# Altium PCB sla2216.PcbDoc (part 3 of 3)
Units mm, origin at the board's own origin, x right, y up, seen from the top; angles counter-clockwise.
Board outline 100 x 43.96 mm, 4 copper layers (Top Copper, Ground, Power, Bottom Copper), stack 1.57 mm thick; 249 components, 170 nets, 887 pads, 884 vias.
Unrouted connection lines stored in the file: 6.
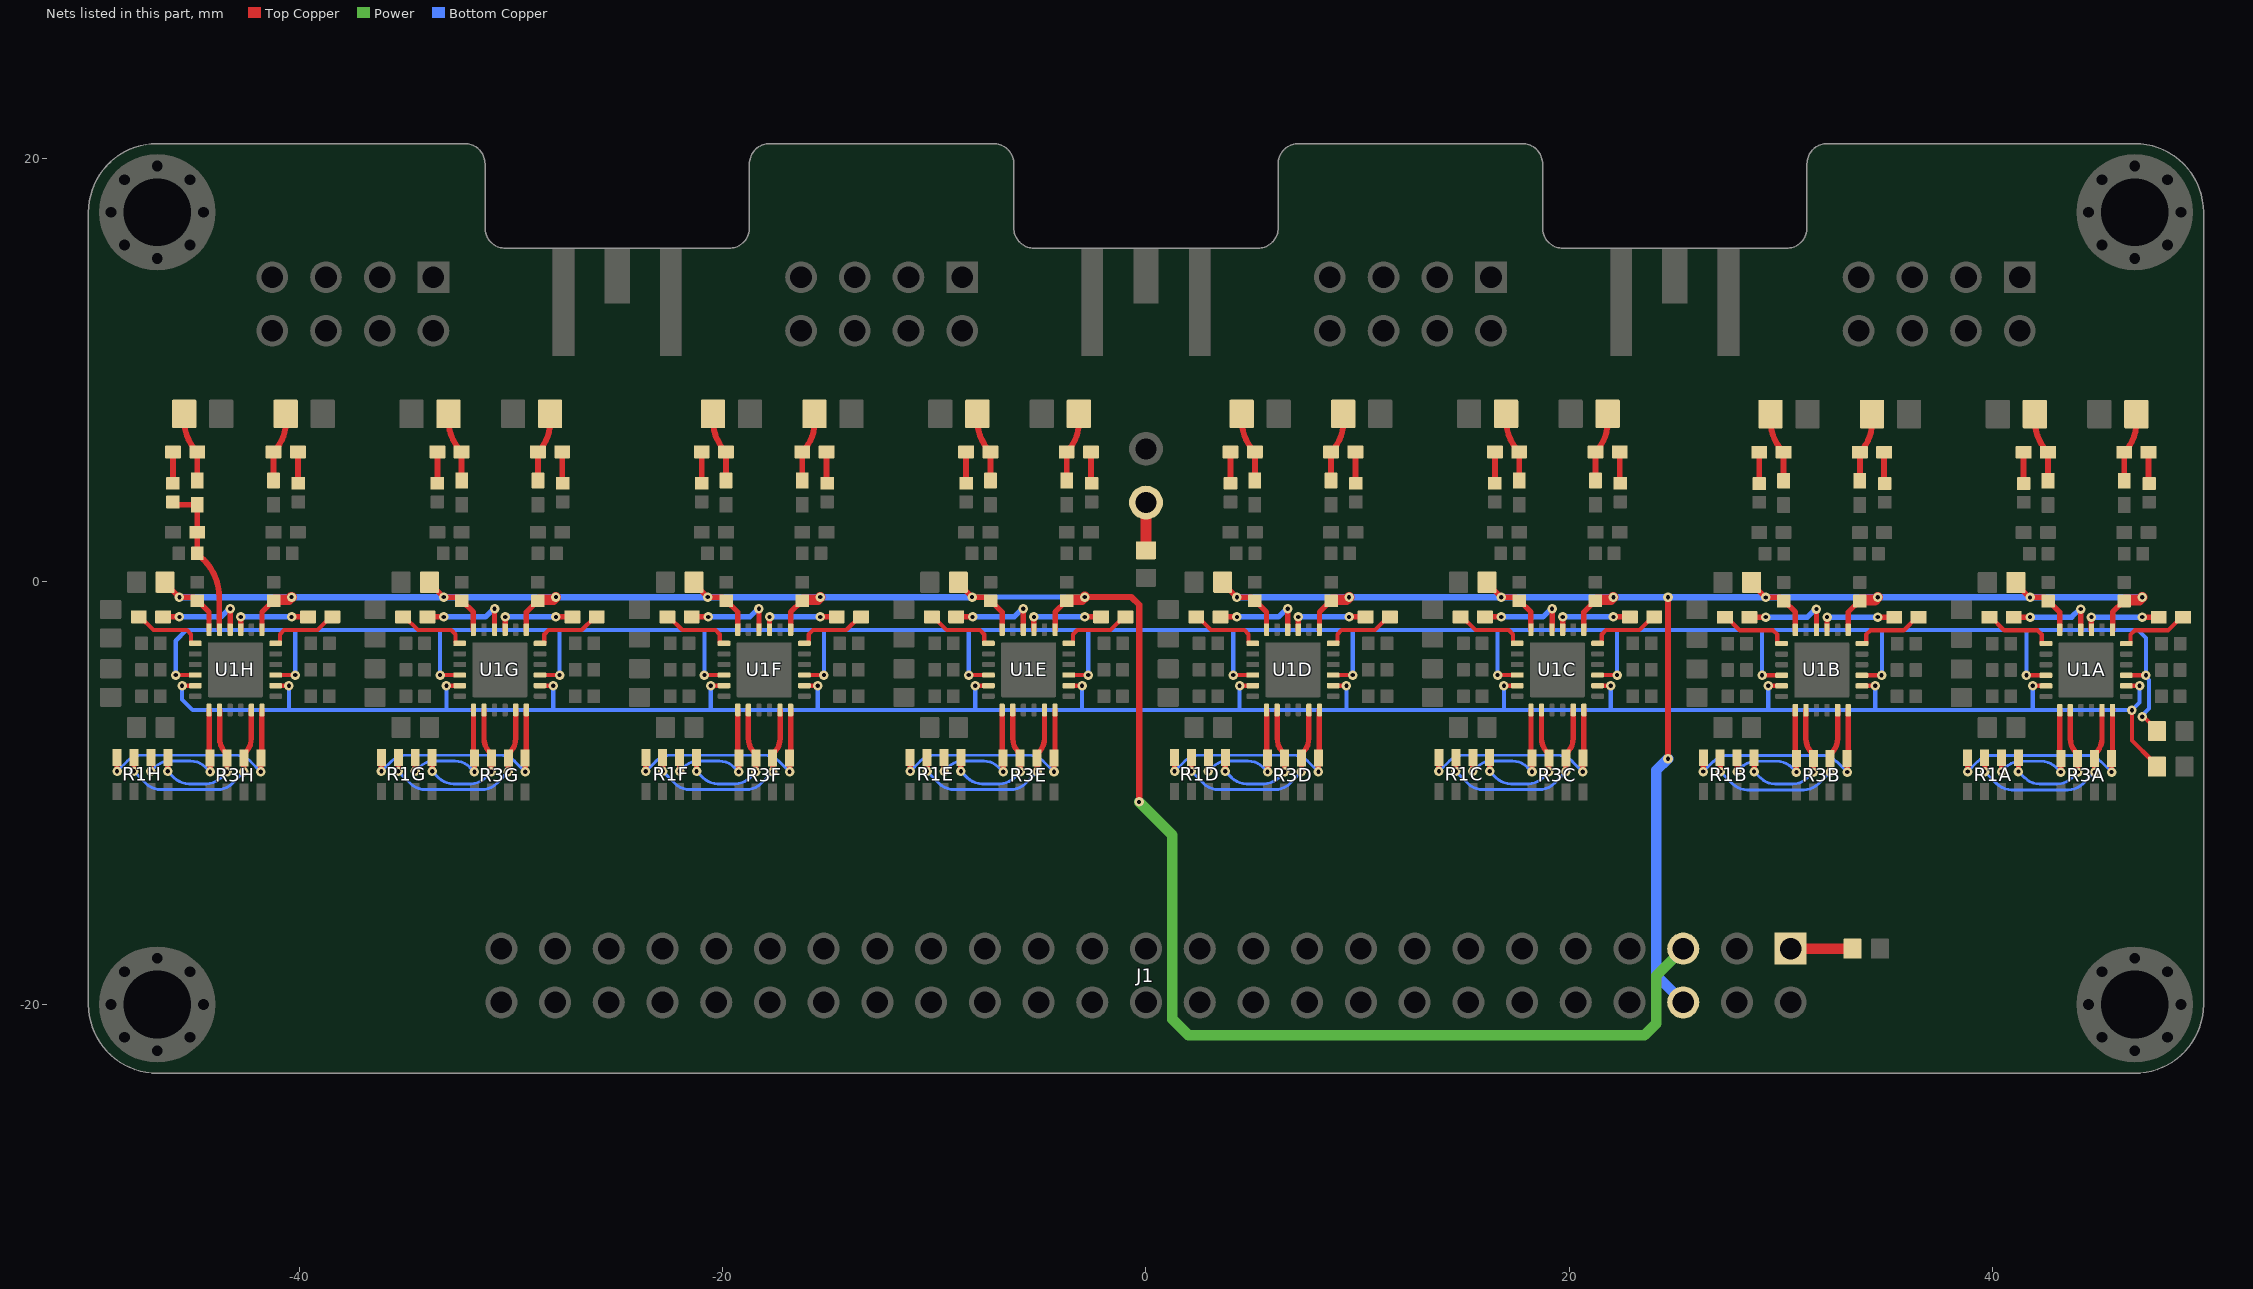
[diagram p5: the nets of this part, all layers, seen from the top]

## Via types
v1: diameter 0.45, hole 0.2, Top Copper to Bottom Copper, tented both sides, 756 vias
v2: diameter 0.5, hole 0.3, Top Copper to Bottom Copper, 72 vias
v3: diameter 0.6, hole 0.3, Top Copper to Bottom Copper, tented both sides, 32 vias
v4: diameter 0.8, hole 0.4, Top Copper to Bottom Copper, tented both sides, 24 vias

## Nets (pads, with @x,y where several pads share a name; then routed paths per layer and width w, separated by ;. In a path a pad name is that pad's centre, name@x,y a point inside that pad or via, vN(x,y) a via of type N, cw(c..) or ccw(c..) an arc to the next point about the centre after c; other vN are vias at no path point) (continued)
INBH_P: C9H.2 C14H.1 R10H.2 R11H.1 U1H.11 | length 7.5
  Top Copper w0.277: C9H.2@-46.005,3.76 -46.005,3.625 R10H.2@-44.855,3.625 R11H.1@-44.855,2.325 -44.855,1.325 C14H.1@-44.85,1.325 -44.558,1.033 cw(c-46.354,-0.763) -44.379,0.834 cw(c-46.354,-0.763) -43.814,-0.763 U1H.11@-43.814,-2.261
LA_DET: J1.1 R13.2 | length 2.9
  Top Copper w0.5: J1.1@30.48,-17.36 R13.2@33.4,-17.36
LEA_N: R15.2 U1A.3 U1A.16 U1B.3 U1B.16 U1C.3 U1C.16 U1D.3 U1D.16 U1E.3 U1E.16 U1F.3 U1F.16 U1G.3 U1G.16 U1H.3 U1H.16 | length 145.1
  Top Copper w0.2: v1(-45.875,-4.425) U1H.16@-44.95,-4.425 ; U1H.3@-41.15,-4.425 v1(-40.225,-4.425) ; v1(-33.375,-4.425) U1G.16@-32.45,-4.425 ; U1G.3@-28.65,-4.425 v1(-27.725,-4.425) ; v1(-20.875,-4.425) U1F.16@-19.95,-4.425 ; U1F.3@-16.15,-4.425 v1(-15.225,-4.425) ; v1(-8.375,-4.425) U1E.16@-7.45,-4.425 ; U1E.3@-3.65,-4.425 v1(-2.725,-4.425) ; v1(4.125,-4.425) U1D.16@5.05,-4.425 ; U1D.3@8.85,-4.425 v1(9.775,-4.425) ; v1(16.625,-4.425) U1C.16@17.55,-4.425 ; U1C.3@21.35,-4.425 v1(22.275,-4.425) ; v1(29.125,-4.435) U1B.16@30.05,-4.435 ; U1B.3@33.85,-4.435 v1(34.775,-4.435) ; v1(41.625,-4.435) U1A.16@42.55,-4.435 ; U1A.3@46.35,-4.435 v1(47.275,-4.435) ; v1(47.1,-6.4) 47.148,-6.448 47.228,-6.448 47.805,-7.025 R15.2@47.805,-7.075
  Bottom Copper w0.2: v1@-45.9,-4.4 ccw(c-45.875,-4.4) v1(-45.875,-4.425) -45.875,-2.8 -45.375,-2.3 -40.225,-2.3 ; v1(-40.225,-4.425) -40.225,-2.3 ; v1(-33.375,-4.425) -33.375,-2.3 ; v1@-27.7,-4.4 cw(c-27.725,-4.4) v1(-27.725,-4.425) -27.725,-2.3 ; v1@-20.9,-4.4 ccw(c-20.875,-4.4) v1(-20.875,-4.425) -20.875,-2.3 ; v1@-15.2,-4.4 cw(c-15.225,-4.4) v1(-15.225,-4.425) -15.225,-2.3 ; v1@-8.4,-4.4 ccw(c-8.375,-4.4) v1(-8.375,-4.425) -8.375,-2.3 ; v1@-2.7,-4.4 cw(c-2.725,-4.4) v1(-2.725,-4.425) -2.725,-2.3 ; v1@4.1,-4.4 ccw(c4.125,-4.4) v1(4.125,-4.425) 4.125,-2.3 ; v1@9.8,-4.4 cw(c9.775,-4.4) v1(9.775,-4.425) 9.775,-2.3 ; v1@16.6,-4.4 ccw(c16.625,-4.4) v1(16.625,-4.425) 16.625,-2.3 ; v1@22.3,-4.4 cw(c22.275,-4.4) v1(22.275,-4.425) 22.275,-2.3 ; v1@29.1,-4.41 ccw(c29.125,-4.41) v1(29.125,-4.435) ; v1@29.125,-4.425 29.125,-4.41 29.125,-2.3 ; v1(34.775,-4.435) 34.8,-4.41 34.8,-2.3 ; v1(41.625,-4.435) 41.625,-2.3 ; v1(47.1,-6.4) 47.1,-6.332 47.427,-6.005 47.427,-4.654 47.275,-4.502 v1(47.275,-4.435) 47.275,-2.675 46.9,-2.3 41.625,-2.3 ; -40.225,-2.3 -33.375,-2.3 ; -33.375,-2.3 -27.725,-2.3 ; -27.725,-2.3 -20.875,-2.3 ; -20.875,-2.3 -15.225,-2.3 ; -15.225,-2.3 -8.375,-2.3 ; -8.375,-2.3 -2.725,-2.3 ; -2.725,-2.3 4.125,-2.3 ; 4.125,-2.3 9.775,-2.3 ; 9.775,-2.3 16.625,-2.3 ; 16.625,-2.3 22.275,-2.3 ; 22.275,-2.3 29.125,-2.3 ; 29.125,-2.3 34.8,-2.3 ; 34.8,-2.3 41.625,-2.3
LEA_P: R16.2 U1A.2 U1A.17 U1B.2 U1B.17 U1C.2 U1C.17 U1D.2 U1D.17 U1E.2 U1E.17 U1F.2 U1F.17 U1G.2 U1G.17 U1H.2 U1H.17 | length 123.7
  Top Copper w0.2: v1(-45.575,-4.925) U1H.17@-44.95,-4.925 ; U1H.2@-41.15,-4.925 v1(-40.525,-4.925) ; v1(-33.075,-4.925) U1G.17@-32.45,-4.925 ; U1G.2@-28.65,-4.925 v1(-28.025,-4.925) ; v1(-20.575,-4.925) U1F.17@-19.95,-4.925 ; U1F.2@-16.15,-4.925 v1(-15.525,-4.925) ; v1(-8.075,-4.925) U1E.17@-7.45,-4.925 ; U1E.2@-3.65,-4.925 v1(-3.025,-4.925) ; v1(4.425,-4.925) U1D.17@5.05,-4.925 ; U1D.2@8.85,-4.925 v1(9.475,-4.925) ; v1(16.925,-4.925) U1C.17@17.55,-4.925 ; U1C.2@21.35,-4.925 v1(21.975,-4.925) ; v1(29.425,-4.935) U1B.17@30.05,-4.935 ; U1B.2@33.85,-4.935 v1(34.475,-4.935) ; v1(41.925,-4.935) U1A.17@42.55,-4.935 ; U1A.2@46.35,-4.935 v1(46.975,-4.935) ; v1(46.615,-6.085) 46.615,-7.515 R16.2@47.575,-8.475
  Bottom Copper w0.2: v1(-45.575,-4.925) -45.575,-5.575 -45.075,-6.075 -40.525,-6.075 ; v1(-40.525,-4.925) -40.525,-6.075 ; v1(-33.075,-4.925) -33.075,-6.075 ; v1@-28,-4.9 cw(c-28.025,-4.9) v1(-28.025,-4.925) -28.025,-6.075 ; v1@-20.6,-4.9 ccw(c-20.575,-4.9) v1(-20.575,-4.925) -20.575,-6.075 ; v1@-15.5,-4.9 cw(c-15.525,-4.9) v1(-15.525,-4.925) -15.525,-6.075 ; v1@-8.1,-4.9 ccw(c-8.075,-4.9) v1(-8.075,-4.925) -8.075,-6.075 ; v1@-3,-4.9 cw(c-3.025,-4.9) v1(-3.025,-4.925) -3.025,-6.075 ; v1@4.4,-4.9 ccw(c4.425,-4.9) v1(4.425,-4.925) 4.425,-6.075 ; v1@9.5,-4.9 cw(c9.475,-4.9) v1(9.475,-4.925) 9.475,-6.075 ; v1@16.9,-4.9 ccw(c16.925,-4.9) v1(16.925,-4.925) 16.925,-6.075 ; v1@22,-4.9 cw(c21.975,-4.9) v1(21.975,-4.925) 21.975,-6.075 ; v1@29.4,-4.91 ccw(c29.425,-4.91) v1(29.425,-4.935) ; v1@29.425,-4.925 29.425,-6.075 ; v1@34.5,-4.91 cw(c34.475,-4.91) v1(34.475,-4.935) 34.475,-6.075 ; v1(41.925,-4.935) 41.925,-6.075 ; v1(46.975,-4.935) 46.975,-5.725 v1(46.615,-6.085) 46.606,-6.075 41.925,-6.075 ; -40.525,-6.075 -33.075,-6.075 ; -33.075,-6.075 -28.025,-6.075 ; -28.025,-6.075 -20.575,-6.075 ; -20.575,-6.075 -15.525,-6.075 ; -15.525,-6.075 -8.075,-6.075 ; -8.075,-6.075 -3.025,-6.075 ; -3.025,-6.075 4.425,-6.075 ; 4.425,-6.075 9.475,-6.075 ; 9.475,-6.075 16.925,-6.075 ; 16.925,-6.075 21.975,-6.075 ; 21.975,-6.075 29.425,-6.075 ; 29.425,-6.075 34.475,-6.075 ; 34.475,-6.075 41.925,-6.075
NetC2A_1: C2A.1 R2A.2 | length 1.5
  Top Copper w0.277: R2A.2@47.4,6.115 47.4,4.63 C2A.1@47.425,4.63
NetC2B_1: C2B.1 R2B.2 | length 1.5
  Top Copper w0.277: R2B.2@34.9,6.115 34.9,4.63 C2B.1@34.925,4.63
NetC2C_1: C2C.1 R2C.2 | length 1.5
  Top Copper w0.277: R2C.2@22.4,6.125 22.4,4.64 C2C.1@22.425,4.64
NetC2D_1: C2D.1 R2D.2 | length 1.5
  Top Copper w0.277: R2D.2@9.9,6.125 9.9,4.64 C2D.1@9.925,4.64
NetC2E_1: C2E.1 R2E.2 | length 1.5
  Top Copper w0.277: R2E.2@-2.6,6.125 -2.6,4.64 C2E.1@-2.575,4.64
NetC2F_1: C2F.1 R2F.2 | length 1.5
  Top Copper w0.277: R2F.2@-15.1,6.125 -15.1,4.64 C2F.1@-15.075,4.64
NetC2G_1: C2G.1 R2G.2 | length 1.5
  Top Copper w0.277: R2G.2@-27.6,6.125 -27.6,4.64 C2G.1@-27.575,4.64
NetC2H_1: C2H.1 R2H.2 | length 1.5
  Top Copper w0.277: R2H.2@-40.1,6.125 -40.1,4.64 C2H.1@-40.075,4.64
NetC9A_1: C9A.1 R8A.2 | length 1.5
  Top Copper w0.277: C9A.1@41.495,4.63 R8A.2@41.495,6.115
NetC9B_1: C9B.1 R8B.2 | length 1.5
  Top Copper w0.277: C9B.1@28.995,4.63 R8B.2@28.995,6.115
NetC9C_1: C9C.1 R8C.2 | length 1.5
  Top Copper w0.277: C9C.1@16.495,4.64 R8C.2@16.495,6.125
NetC9D_1: C9D.1 R8D.2 | length 1.5
  Top Copper w0.277: C9D.1@3.995,4.64 R8D.2@3.995,6.125
NetC9E_1: C9E.1 R8E.2 | length 1.5
  Top Copper w0.277: C9E.1@-8.505,4.64 R8E.2@-8.505,6.125
NetC9F_1: C9F.1 R8F.2 | length 1.5
  Top Copper w0.277: C9F.1@-21.005,4.64 R8F.2@-21.005,6.125
NetC9G_1: C9G.1 R8G.2 | length 1.5
  Top Copper w0.277: C9G.1@-33.505,4.64 R8G.2@-33.505,6.125
NetC9H_1: C9H.1 R8H.2 | length 1.5
  Top Copper w0.277: C9H.1@-46.005,4.64 R8H.2@-46.005,6.125
NetLED1_2: LED1.2 R14.1 | length 2.1
  Top Copper w0.254: R14.1@-0.003,1.475 R14.1@0,1.478 ; LED1.2@0,3.525 LED1.2@0.05,3.575
  Top Copper w0.5: R14.1@0,1.478 LED1.2@0,3.525
NetR2A_1: R2A.1 R4A.2 R5A.1 | length 3.3
  Top Copper w0.277: R5A.1@46.25,4.765 R2A.1@46.25,6.115 ccw(c44.862,7.504) 46.825,7.504 R4A.2@46.825,7.915
NetR2B_1: R2B.1 R4B.2 R5B.1 | length 3.3
  Top Copper w0.277: R5B.1@33.75,4.765 R2B.1@33.75,6.115 ccw(c32.362,7.504) 34.325,7.504 R4B.2@34.325,7.915
NetR2C_1: R2C.1 R4C.2 R5C.1 | length 3.3
  Top Copper w0.277: R5C.1@21.25,4.775 R2C.1@21.25,6.125 ccw(c19.862,7.513) 21.825,7.513 R4C.2@21.825,7.925
NetR2D_1: R2D.1 R4D.2 R5D.1 | length 3.3
  Top Copper w0.277: R5D.1@8.75,4.775 R2D.1@8.75,6.125 ccw(c7.362,7.513) 9.325,7.513 R4D.2@9.325,7.925
NetR2E_1: R2E.1 R4E.2 R5E.1 | length 3.3
  Top Copper w0.277: R5E.1@-3.75,4.775 R2E.1@-3.75,6.125 ccw(c-5.138,7.513) -3.175,7.513 R4E.2@-3.175,7.925
NetR2F_1: R2F.1 R4F.2 R5F.1 | length 3.3
  Top Copper w0.277: R5F.1@-16.25,4.775 R2F.1@-16.25,6.125 ccw(c-17.638,7.513) -15.675,7.513 R4F.2@-15.675,7.925
NetR2G_1: R2G.1 R4G.2 R5G.1 | length 3.3
  Top Copper w0.277: R5G.1@-28.75,4.775 R2G.1@-28.75,6.125 ccw(c-30.138,7.513) -28.175,7.513 R4G.2@-28.175,7.925
NetR2H_1: R2H.1 R4H.2 R5H.1 | length 3.3
  Top Copper w0.277: R5H.1@-41.25,4.775 R2H.1@-41.25,6.125 ccw(c-42.638,7.513) -40.675,7.513 R4H.2@-40.675,7.925
NetR8A_1: R8A.1 R9A.2 R10A.1 | length 3.3
  Top Copper w0.277: R9A.2@42.025,7.915 42.025,7.612 ccw(c44.142,7.612) R8A.1@42.645,6.115 R10A.1@42.645,4.765
NetR8B_1: R8B.1 R9B.2 R10B.1 | length 3.3
  Top Copper w0.277: R9B.2@29.525,7.915 29.525,7.612 ccw(c31.642,7.612) R8B.1@30.145,6.115 R10B.1@30.145,4.765
NetR8C_1: R8C.1 R9C.2 R10C.1 | length 3.3
  Top Copper w0.277: R9C.2@17.025,7.925 17.025,7.622 ccw(c19.142,7.622) R8C.1@17.645,6.125 R10C.1@17.645,4.775
NetR8D_1: R8D.1 R9D.2 R10D.1 | length 3.3
  Top Copper w0.277: R9D.2@4.525,7.925 4.525,7.622 ccw(c6.642,7.622) R8D.1@5.145,6.125 R10D.1@5.145,4.775
NetR8E_1: R8E.1 R9E.2 R10E.1 | length 3.3
  Top Copper w0.277: R9E.2@-7.975,7.925 -7.975,7.622 ccw(c-5.858,7.622) R8E.1@-7.355,6.125 R10E.1@-7.355,4.775
NetR8F_1: R8F.1 R9F.2 R10F.1 | length 3.3
  Top Copper w0.277: R9F.2@-20.475,7.925 -20.475,7.622 ccw(c-18.358,7.622) R8F.1@-19.855,6.125 R10F.1@-19.855,4.775
NetR8G_1: R8G.1 R9G.2 R10G.1 | length 3.3
  Top Copper w0.277: R9G.2@-32.975,7.925 -32.975,7.622 ccw(c-30.858,7.622) R8G.1@-32.355,6.125 R10G.1@-32.355,4.775
NetR8H_1: R8H.1 R9H.2 R10H.1 | length 3.3
  Top Copper w0.277: R9H.2@-45.475,7.925 -45.475,7.622 ccw(c-43.358,7.622) R8H.1@-44.855,6.125 R10H.1@-44.855,4.775
QAA_N: R1A.8 R3A.1 U1A.24 | length 11
  Top Copper w0.254: v1(38.85,-8.985) R1A.8@38.85,-8.335 ; v1(45.65,-9.01) R3A.1@45.65,-8.36 45.698,-8.312 45.698,-6.087 U1A.24@45.7,-6.085
  Bottom Copper w0.139: v1(38.85,-8.985) 39.319,-8.515 cw(c40.02,-9.216) 40.02,-8.225 44.455,-8.225 cw(c44.455,-9.216) 45.156,-8.515 v1(45.65,-9.01)
QAA_P: R1A.7 R3A.2 U1A.23 | length 9.5
  Top Copper w0.254: v1(39.65,-8.985) R1A.7@39.65,-8.335 ; R3A.2@44.848,-8.172 ccw(c44.209,-7.415) 45.2,-7.415 U1A.23@45.2,-6.085 ; v1(44.85,-9.01) R3A.2@44.85,-8.175
  Bottom Copper w0.139: v1(39.65,-8.985) 40.225,-9.56 ccw(c40.926,-8.859) 40.926,-9.85 43.599,-9.85 ccw(c43.599,-8.859) 44.3,-9.56 v1(44.85,-9.01)
QAB_N: R1B.8 R3B.1 U1B.24 | length 11
  Top Copper w0.254: v1(26.35,-8.985) R1B.8@26.35,-8.335 ; v1(33.15,-9.01) R3B.1@33.15,-8.36 33.198,-8.312 33.198,-6.087 U1B.24@33.2,-6.085
  Bottom Copper w0.139: v1(26.35,-8.985) 26.819,-8.515 cw(c27.52,-9.216) 27.52,-8.225 31.955,-8.225 cw(c31.955,-9.216) 32.656,-8.515 v1(33.15,-9.01)
QAB_P: R1B.7 R3B.2 U1B.23 | length 9.5
  Top Copper w0.254: v1(27.15,-8.985) R1B.7@27.15,-8.335 ; R3B.2@32.348,-8.172 ccw(c31.709,-7.415) 32.7,-7.415 U1B.23@32.7,-6.085 ; v1(32.35,-9.01) R3B.2@32.35,-8.175
  Bottom Copper w0.139: v1(27.15,-8.985) 27.725,-9.56 ccw(c28.426,-8.859) 28.426,-9.85 31.099,-9.85 ccw(c31.099,-8.859) 31.8,-9.56 v1(32.35,-9.01)
QAC_N: R1C.8 R3C.1 U1C.24 | length 11
  Top Copper w0.254: v1(13.85,-8.975) R1C.8@13.85,-8.325 ; v1(20.65,-9) R3C.1@20.65,-8.35 20.698,-8.302 20.698,-6.077 U1C.24@20.7,-6.075
  Bottom Copper w0.139: v1(13.85,-8.975) 14.319,-8.506 cw(c15.02,-9.206) 15.02,-8.215 19.455,-8.215 cw(c19.455,-9.206) 20.156,-8.506 v1(20.65,-9)
QAC_P: R1C.7 R3C.2 U1C.23 | length 9.5
  Top Copper w0.254: v1(14.65,-8.975) R1C.7@14.65,-8.325 ; R3C.2@19.848,-8.163 ccw(c19.209,-7.405) 20.2,-7.405 U1C.23@20.2,-6.075 ; v1(19.85,-9) R3C.2@19.85,-8.165
  Bottom Copper w0.139: v1(14.65,-8.975) 15.225,-9.55 ccw(c15.926,-8.85) 15.926,-9.84 18.599,-9.84 ccw(c18.599,-8.85) 19.3,-9.55 v1(19.85,-9)
QAD_N: R1D.8 R3D.1 U1D.24 | length 11
  Top Copper w0.254: v1(1.35,-8.975) R1D.8@1.35,-8.325 ; v1(8.15,-9) R3D.1@8.15,-8.35 8.198,-8.302 8.198,-6.077 U1D.24@8.2,-6.075
  Bottom Copper w0.139: v1(1.35,-8.975) 1.819,-8.506 cw(c2.52,-9.206) 2.52,-8.215 6.955,-8.215 cw(c6.955,-9.206) 7.656,-8.506 v1(8.15,-9)
QAD_P: R1D.7 R3D.2 U1D.23 | length 9.5
  Top Copper w0.254: v1(2.15,-8.975) R1D.7@2.15,-8.325 ; R3D.2@7.348,-8.163 ccw(c6.709,-7.405) 7.7,-7.405 U1D.23@7.7,-6.075 ; v1(7.35,-9) R3D.2@7.35,-8.165
  Bottom Copper w0.139: v1(2.15,-8.975) 2.725,-9.55 ccw(c3.426,-8.85) 3.426,-9.84 6.099,-9.84 ccw(c6.099,-8.85) 6.8,-9.55 v1(7.35,-9)
QAE_N: R1E.8 R3E.1 U1E.24 | length 11
  Top Copper w0.254: v1(-11.15,-8.975) R1E.8@-11.15,-8.325 ; v1(-4.35,-9) R3E.1@-4.35,-8.35 -4.302,-8.302 -4.302,-6.077 U1E.24@-4.3,-6.075
  Bottom Copper w0.139: v1(-11.15,-8.975) -10.681,-8.506 cw(c-9.98,-9.206) -9.98,-8.215 -5.545,-8.215 cw(c-5.545,-9.206) -4.844,-8.506 v1(-4.35,-9)
QAE_P: R1E.7 R3E.2 U1E.23 | length 9.5
  Top Copper w0.254: v1(-10.35,-8.975) R1E.7@-10.35,-8.325 ; R3E.2@-5.152,-8.163 ccw(c-5.791,-7.405) -4.8,-7.405 U1E.23@-4.8,-6.075 ; v1(-5.15,-9) R3E.2@-5.15,-8.165
  Bottom Copper w0.139: v1(-10.35,-8.975) -9.775,-9.55 ccw(c-9.074,-8.85) -9.074,-9.84 -6.401,-9.84 ccw(c-6.401,-8.85) -5.7,-9.55 v1(-5.15,-9)
QAF_N: R1F.8 R3F.1 U1F.24 | length 11
  Top Copper w0.254: v1(-23.65,-8.975) R1F.8@-23.65,-8.325 ; v1(-16.85,-9) R3F.1@-16.85,-8.35 -16.802,-8.302 U1F.24@-16.8,-6.075 U1F.24@-16.8,-6.075
  Bottom Copper w0.139: v1(-23.65,-8.975) -23.181,-8.506 cw(c-22.48,-9.206) -22.48,-8.215 -18.045,-8.215 cw(c-18.045,-9.206) -17.344,-8.506 v1(-16.85,-9)
QAF_P: R1F.7 R3F.2 U1F.23 | length 9.5
  Top Copper w0.254: v1(-22.85,-8.975) R1F.7@-22.85,-8.325 ; R3F.2@-17.652,-8.163 ccw(c-18.291,-7.405) -17.3,-7.405 U1F.23@-17.3,-6.075 ; v1(-17.65,-9) R3F.2@-17.65,-8.165
  Bottom Copper w0.139: v1(-22.85,-8.975) -22.275,-9.55 ccw(c-21.574,-8.85) -21.574,-9.84 -18.901,-9.84 ccw(c-18.901,-8.85) -18.2,-9.55 v1(-17.65,-9)
QAG_N: R1G.8 R3G.1 U1G.24 | length 11
  Top Copper w0.254: v1(-36.15,-8.975) R1G.8@-36.15,-8.325 ; v1(-29.35,-9) R3G.1@-29.35,-8.35 -29.302,-8.302 -29.302,-6.077 U1G.24@-29.3,-6.075
  Bottom Copper w0.139: v1(-36.15,-8.975) -35.681,-8.506 cw(c-34.98,-9.206) -34.98,-8.215 -30.545,-8.215 cw(c-30.545,-9.206) -29.844,-8.506 v1(-29.35,-9)
QAG_P: R1G.7 R3G.2 U1G.23 | length 9.5
  Top Copper w0.254: v1(-35.35,-8.975) R1G.7@-35.35,-8.325 ; R3G.2@-30.152,-8.163 ccw(c-30.791,-7.405) -29.8,-7.405 U1G.23@-29.8,-6.075 ; v1(-30.15,-9) R3G.2@-30.15,-8.165
  Bottom Copper w0.139: v1(-35.35,-8.975) -34.775,-9.55 ccw(c-34.074,-8.85) -34.074,-9.84 -31.401,-9.84 ccw(c-31.401,-8.85) -30.7,-9.55 v1(-30.15,-9)
QAH_N: R1H.8 R3H.1 U1H.24 | length 11
  Top Copper w0.254: v1(-48.65,-8.975) R1H.8@-48.65,-8.325 ; v1(-41.85,-9) R3H.1@-41.85,-8.35 -41.802,-8.302 -41.802,-6.077 U1H.24@-41.8,-6.075
  Bottom Copper w0.139: v1(-48.65,-8.975) -48.181,-8.506 cw(c-47.48,-9.206) -47.48,-8.215 -43.045,-8.215 cw(c-43.045,-9.206) -42.344,-8.506 v1(-41.85,-9)
QAH_P: R1H.7 R3H.2 U1H.23 | length 9.5
  Top Copper w0.254: v1(-47.85,-8.975) R1H.7@-47.85,-8.325 ; R3H.2@-42.652,-8.163 ccw(c-43.291,-7.405) -42.3,-7.405 U1H.23@-42.3,-6.075 ; v1(-42.65,-9) R3H.2@-42.65,-8.165
  Bottom Copper w0.139: v1(-47.85,-8.975) -47.275,-9.55 ccw(c-46.574,-8.85) -46.574,-9.84 -43.901,-9.84 ccw(c-43.901,-8.85) -43.2,-9.55 v1(-42.65,-9)
QBA_N: R1A.6 R3A.4 U1A.19 | length 6.7
  Top Copper w0.254: v1(40.45,-8.985) R1A.6@40.45,-8.335 ; U1A.19@43.2,-6.085 43.202,-6.087 43.202,-8.312 R3A.4@43.25,-8.36 v1(43.25,-9.01)
  Bottom Copper w0.139: v1(40.45,-8.985) 40.644,-8.79 cw(c41.345,-9.491) 41.345,-8.5 42.33,-8.5 cw(c42.33,-9.491) 43.031,-8.79 v1(43.25,-9.01)
QBA_P: R1A.5 R3A.3 U1A.20 | length 6.9
  Top Copper w0.254: v1(41.25,-8.985) R1A.5@41.25,-8.335 ; U1A.20@43.7,-6.085 43.7,-7.415 ccw(c44.691,-7.415) R3A.3@44.052,-8.172 ; v1(44.05,-9.01) R3A.3@44.05,-8.175
  Bottom Copper w0.139: v1(41.25,-8.985) 41.55,-9.285 ccw(c42.251,-8.584) 42.251,-9.575 43.074,-9.575 ccw(c43.074,-8.584) 43.775,-9.285 v1(44.05,-9.01)
QBB_N: R1B.6 R3B.4 U1B.19 | length 6.7
  Top Copper w0.254: v1(27.95,-8.985) R1B.6@27.95,-8.335 ; U1B.19@30.7,-6.085 30.702,-6.087 30.702,-8.312 R3B.4@30.75,-8.36 v1(30.75,-9.01)
  Bottom Copper w0.139: v1(27.95,-8.985) 28.144,-8.79 cw(c28.845,-9.491) 28.845,-8.5 29.83,-8.5 cw(c29.83,-9.491) 30.531,-8.79 v1(30.75,-9.01)
QBB_P: R1B.5 R3B.3 U1B.20 | length 6.9
  Top Copper w0.254: v1(28.75,-8.985) R1B.5@28.75,-8.335 ; U1B.20@31.2,-6.085 31.2,-7.415 ccw(c32.191,-7.415) R3B.3@31.552,-8.172 ; v1(31.55,-9.01) R3B.3@31.55,-8.175
  Bottom Copper w0.139: v1(28.75,-8.985) 29.05,-9.285 ccw(c29.751,-8.584) 29.751,-9.575 30.574,-9.575 ccw(c30.574,-8.584) 31.275,-9.285 v1(31.55,-9.01)
QBC_N: R1C.6 R3C.4 U1C.19 | length 6.7
  Top Copper w0.254: v1(15.45,-8.975) R1C.6@15.45,-8.325 ; U1C.19@18.2,-6.075 18.202,-6.077 18.202,-8.302 R3C.4@18.25,-8.35 v1(18.25,-9)
  Bottom Copper w0.139: v1(15.45,-8.975) 15.644,-8.781 cw(c16.345,-9.481) 16.345,-8.49 17.33,-8.49 cw(c17.33,-9.481) 18.031,-8.781 v1(18.25,-9)
QBC_P: R1C.5 R3C.3 U1C.20 | length 6.9
  Top Copper w0.254: v1(16.25,-8.975) R1C.5@16.25,-8.325 ; U1C.20@18.7,-6.075 18.7,-7.405 ccw(c19.691,-7.405) R3C.3@19.052,-8.163 ; v1(19.05,-9) R3C.3@19.05,-8.165
  Bottom Copper w0.139: v1(16.25,-8.975) 16.55,-9.275 ccw(c17.251,-8.575) 17.251,-9.565 18.074,-9.565 ccw(c18.074,-8.575) 18.775,-9.275 v1(19.05,-9)